# KiCad board revxl.kicad_pcb (continued)
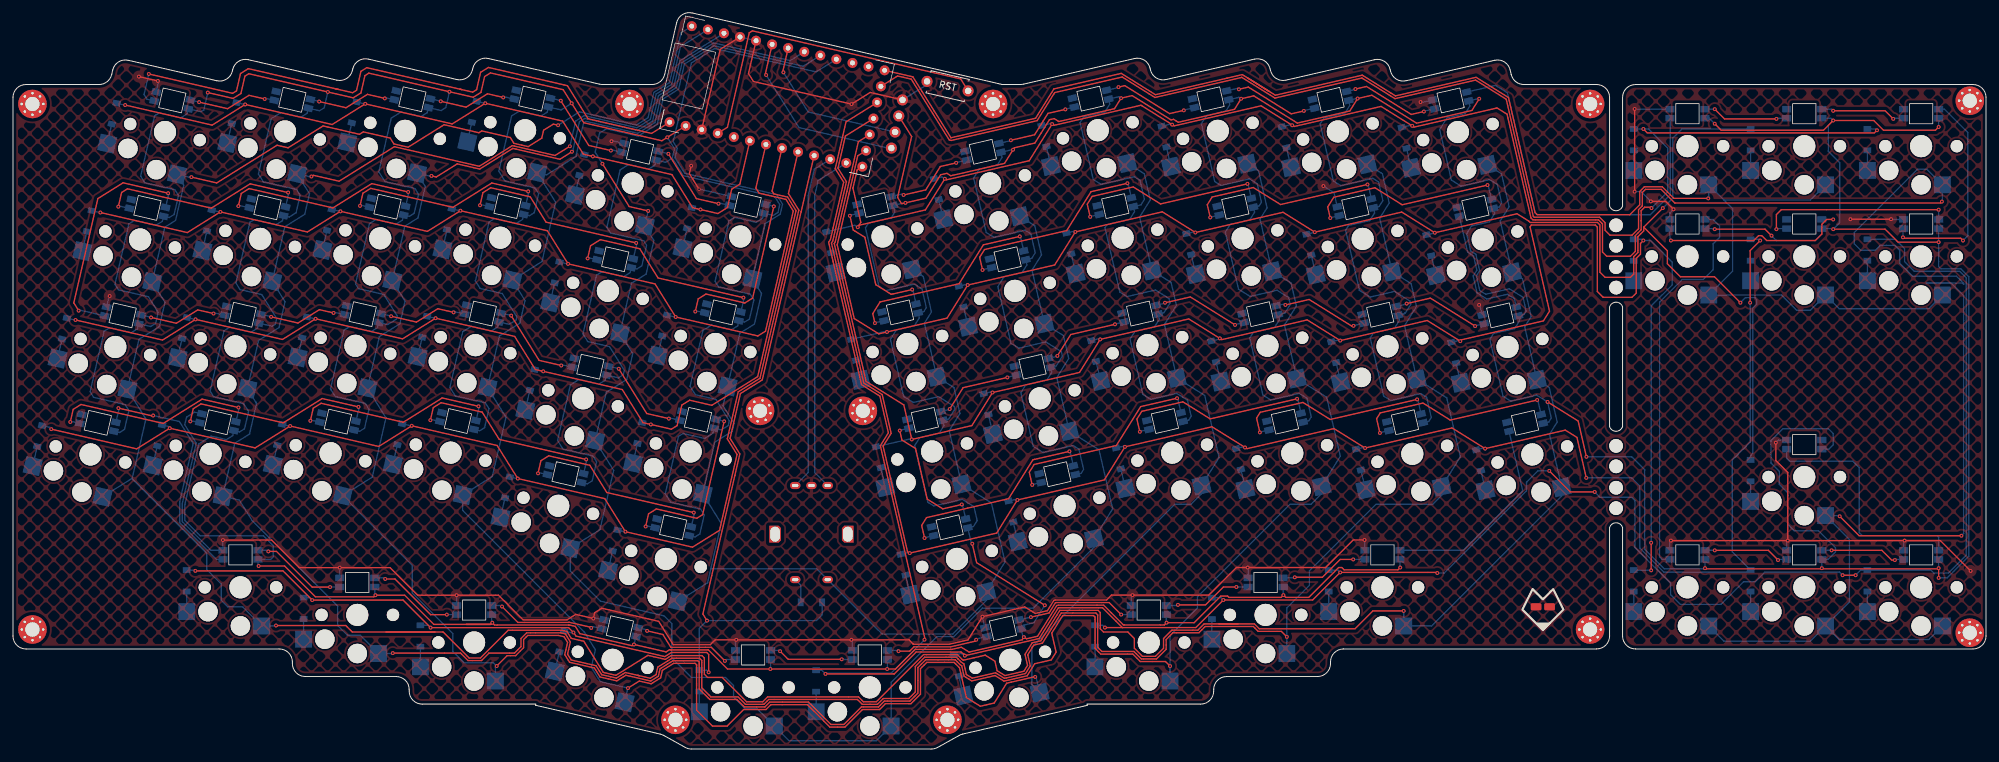
[diagram p0: board, top side]
## Nets (continued)
mirror_ring_top: D35.2 S35.2
mirror_spacecol_spacerow: D58.2 S58.2
mirror_super_modrow: D54.2 S54.2
outer_bottom: D1.2 S1.2
outer_home: D2.2 S2.2
outer_num: D4.2 S4.2
outer_top: D3.2 S3.2
P7: REF**.7
P8: REF**.8
pinky_bottom: D5.2 S5.2
pinky_home: D6.2 S6.2
pinky_num: D8.2 S8.2
pinky_top: D7.2 S7.2
right_del: D67.2 S67.2
right_down: D66.2 S66.2
right_ins: D68.2 S68.2
ring_bottom: D9.2 S9.2
ring_home: D10.2 S10.2
ring_num: D12.2 S12.2
ring_top: D11.2 S11.2
rotA: RE1.A REF**.20
rotB: RE1.C REF**.23
row0: D4.1 D8.1 D12.1 D16.1 D20.1 D24.1 REF**.29
row1: D3.1 D7.1 D11.1 D15.1 D19.1 D23.1 REF**.28
row2: D2.1 D6.1 D10.1 D14.1 D18.1 D22.1 REF**.27
row3: D1.1 D5.1 D9.1 D13.1 D17.1 D21.1 REF**.26
row4: D49.1 D50.1 D51.1 D55.1 D57.1 D69.1 REF**.22
row5: D28.1 D32.1 D36.1 D40.1 D44.1 D48.1 D61.1 D68.1 REF**.21
row6: D27.1 D31.1 D35.1 D39.1 D43.1 D47.1 D63.1 D65.1 REF**.16
row7: D26.1 D30.1 D34.1 D38.1 D42.1 D46.1 D59.1 D60.1 REF**.15
row8: D25.1 D29.1 D33.1 D37.1 D41.1 D45.1 D62.1 D64.1 REF**.14
row9: D52.1 D53.1 D54.1 D56.1 D58.1 D66.1 D67.1 REF**.13
RST: REF**.RST RST1.1
SCL: DISP1.2 REF**.3
SDA: DISP1.1 REF**.2
spacecol_spacerow: D57.2 S57.2
super_modrow: D51.2 S51.2

Pads without a net: _1 1; _2 1; _3 1; _4 1; _5 1; _6 1; _7 1; _8 1; _9 1; _10 1; _11 1; _12 1

## Via types
v1: diameter 0.6, hole 0.3, Top to Bottom, 289 vias
v2: diameter 0.5, hole 0.3, Top to Bottom, 1 via

## Routing (per net, layer and track width the routed paths; a pad name or vN(x,y) marks a point on that pad's centre or on a via; arc(x,y) is an arc through that point)
GND: length 422.1
  Top w0.2: v1(255.85,83.19) 254.63,84.41 v1(252.36,84.41) ; REF**.GND 108.97,107.85 REF**.GND ; v1(208.25,32.22) 206.5,32.22 202.25,27.97 v1(190.25,27.97) 188.5,27.97 184.25,23.72 v1(172.5,23.72) 169.25,23.72 168.5,22.97 160.62,22.97 160.37,22.91 159.38,21.33 157.51,20.89 155.89,21.91 v1(149.38,20.4) 147.14,16.82 144.23,16.15 138.73,16.15 138.05,16.83 v1(129.19,16.83) v1(111.44,16.83) 108.19,16.83 107.44,16.08 101.74,16.08 99.49,19.68 90.72,21.7 89.63,21.02 v1(89.42,20.12) 86.7,20.75 85.35,19.91 78.6,19.91 74.8,23.71 v1(68.35,23.71) 62.35,23.71 58.1,27.96 v1(50.35,27.96) 44.1,27.96 39.85,32.21 v1(32.35,32.21) ; v1(249.86,98.66) v1(249.86,85.91) ; v1(271.62,47.22) 271.62,44.47 273.45,42.64 v1(273.45,32.13) ; DISP1.4 132.07,101.2 v1(129.19,99.4) 114.09,102.89 113.32,104.12 REF**.GND ; v1(104.49,89.9) 104.21,88.68 v2(105.71,86.29) ; v1(289.36,81.66) v1(283.11,81.66) ; v1(273.45,32.13) v1(255.45,32.13) ; v1(273.45,32.13) v1(291.45,32.13) 296.95,32.13 v1(301.63,27.45) ; v1(22.33,102.97) v1(19.4,103.65)
  Bottom w0.2: v1(255.45,32.13) 255.3,31.97 LED59.3 ; RST1.2 140.7,102.33 DISP1.4 ; v1(14.9,69.82) 14.8,69.75 LED2.3 ; v1(149.38,20.4) 149.36,20.37 LED56.3 ; LED67.3 289.4,81.62 v1(289.36,81.66) ; v1(89.42,20.12) 89.61,20.24 LED55.3 ; LED50.3 v1(50.35,27.96) ; v1(190.25,27.97) 190.3,27.92 LED53.3 ; v1(271.62,47.22) 272.02,47.62 LED63.3 ; v1(273.45,32.13) 273.3,31.97 LED62.3 ; v1(291.45,32.13) 291.3,31.97 LED66.3 ; v1(111.44,16.83) 111.32,16.71 LED57.3 ; v1(172.5,23.72) 172.3,23.53 LED54.3 ; REF**.GND REF**.GND ; v1(201.9,86.77) 203.54,85.75 LED31.3 ; LED51.3 v1(68.35,23.71) ; LED52.3 208.3,32.17 v1(208.25,32.22) ; v1(249.86,98.66) 249.9,98.62 LED61.3 ; v1(249.86,85.91) 250.86,85.91 v1(252.36,84.41) ; LED60.3 255.3,82.64 v1(255.85,83.19) ; v2(105.71,86.29) 105.74,86.31 LED24.3 ; LED58.3 129.32,16.7 v1(129.19,16.83) ; LED26.3 226.03,68.36 v1(225.89,68.45) ; LED20.3 92.34,93.76 v1(92.22,93.68) ; LED5.3 27.97,51.92 26.74,51.15 26.47,49.98 28.23,47.15 26.09,37.87 26.09,35.05 29.38,31.76 30.52,30.62 LED49.3 v1(32.35,32.21) ; LED4.3 22.43,102.8 v1(22.33,102.97) ; LED28.3 216.99,99.65 v1(216.87,99.72)
VCC: length 1823.9
  Top w0.2: v1(260.7,27.88) 260.81,27.77 278.6,27.77 v1(278.7,27.88) 278.81,27.77 296.6,27.77 v1(296.7,27.88) v1(296.7,26.38) ; v1(147.81,31.64) 148.48,28.72 v1(158.97,22.16) ; v1(213.75,27.97) 213.4,27.62 205.1,27.62 204.75,27.97 204.25,27.97 199.65,23.37 196.1,23.37 v1(195.75,23.72) 195.4,23.37 187.35,23.37 187.15,23.57 186.1,23.57 182,19.47 v1(177.75,19.47) 177.4,19.12 176.75,19.12 171.1,19.12 169.25,20.97 168.05,22.17 167,22.17 161.06,22.17 160.82,22.12 157.86,17.38 156.17,16.99 v1(155.75,17.26) 155.49,16.84 147.3,14.95 146.11,15.69 144.65,15.35 139.73,15.35 139,15.35 138.76,15.12 135.98,12.33 v1(134.69,12.33) v1(116.69,12.33) 110.09,12.33 107.14,15.28 101.44,15.28 101.32,15.28 101.18,15.31 100.63,14.97 v1(95.68,16.11) 95.38,15.93 87.34,17.78 86.64,18.91 85.76,19.11 85.6,19.11 74.6,19.11 74.2,19.11 v1(73.85,19.46) 73.6,19.21 ; DISP1.3 138.46,94.41 136.47,85.76 136.3,85.03 136.86,84.13 136.97,84.06 v1(137.51,84.18) 140.68,84.91 142.92,88.51 143.9,88.74 144.5,88.36 144.74,88.42 152.78,90.27 v1(154.09,92.37) 154.28,92.67 157.45,93.4 159.69,97 160.42,97.17 161.14,96.72 169.72,98.7 v1(170.73,100.32) 172.44,100.71 178.43,96.96 178.82,97.05 179.54,96.61 180.27,96.77 188.21,98.61 v1(189.22,100.23) 191.17,100.68 197.47,96.74 197.89,96.48 198.28,96.57 205.98,98.35 v1(207.18,100.27) 209.37,100.77 216.26,96.46 224.79,98.43 v1(225.91,100.23) ; v1(37.85,28.21) 41.85,28.21 46.6,23.46 55.6,23.46 v1(55.85,23.71) 60.35,23.71 64.85,19.21 73.6,19.21 ; v1(242.43,45.04) 241.16,50.56 v1(236.45,53.5) ; v1(280.45,80.13) 288.45,80.13 290.45,78.13 v1(296.7,78.13) ; v1(270.95,79.13) 269.95,80.13 v1(262.2,80.13) ; v1(262.2,96.38) 263.2,95.38 273.95,95.38 278.95,95.38 v1(280.45,96.88) 286.7,96.88 288.2,95.38 296.2,95.38 v1(296.7,95.88) ; 73.6,19.21 69.85,19.21 72.85,19.21 73.6,19.21 ; v1(30.02,101.18) 33.92,100.28 35.12,101.03 35.73,103.71 36.33,104.08 v1(48.51,101.27) 52.41,100.37 53.61,101.12 54.23,103.8 54.83,104.18 v1(67.25,101.31) 70.91,100.46 72.11,101.21 72.67,103.65 73.57,104.21 84.77,101.62 v1(86.08,99.53) 87.96,96.53 99.97,93.75 v1(100.82,94.29) REF**.VCC
  Bottom w0.2: 101.58,91.07 100.55,90.43 LED20.1 98.91,89.99 97.93,89.38 94.86,90.09 93.55,89.27 91.51,80.46 91.5,80.45 92.07,79.53 97.19,78.35 97.63,77.64 96.9,74.47 96.14,74 LED19.1 95.08,73.43 94.1,72.81 90.79,73.58 89.91,73.03 87.82,63.98 88.56,62.8 91.91,62.03 94.2,58.36 94.05,57.69 93.29,57.21 LED18.1 91.26,56.86 90.28,56.25 87.21,56.96 85.88,56.13 83.91,47.56 84.73,46.24 89.36,45.17 89.92,44.27 89.25,41.34 88.49,40.87 LED17.1 ; 101.58,91.07 101.92,92.53 v1(100.82,94.29) ; 101.58,91.07 103.27,88.37 117.39,85.11 118.14,83.91 117.86,82.7 117.13,82.24 LED24.1 115.49,81.8 114.51,81.19 111.19,81.95 110.32,81.41 108.17,72.11 108.72,71.23 113.59,70.11 114.15,69.21 113.48,66.28 112.72,65.81 LED23.1 111.67,65.23 110.69,64.62 107.61,65.33 106.31,64.52 104.33,55.95 104.31,55.94 105.14,54.61 108.31,53.88 110.37,50.58 110.2,49.85 109.14,49.19 LED22.1 107.84,48.67 106.56,47.87 103.25,48.64 102.54,48.2 100.51,39.38 100.49,39.37 101.31,38.05 105.94,36.98 106.51,36.08 105.83,33.15 105.07,32.68 LED21.1 ; v1(262.2,80.13) 262.11,80.22 LED60.1 ; v1(242.43,45.04) 249.41,45.04 251.41,43.04 251.41,30.79 254.43,27.77 260.6,27.77 v1(260.7,27.88) 260.7,27.88 LED59.1 ; LED50.1 55.75,23.81 v1(55.85,23.71) ; v1(296.7,27.88) 296.7,27.88 LED66.1 ; LED29.1 218.15,50.5 218.53,51.11 217.8,54.23 216.91,54.79 212.28,53.72 211.19,54.4 209.12,63.35 209.62,64.14 212.88,64.89 213.62,66.08 LED30.1 214.32,67.06 214.4,67.18 214.54,67.22 215.37,68.55 215.26,69.03 212.86,70.53 209.11,69.67 207.42,70.72 207.45,70.77 205.33,79.96 205.79,80.7 209.06,81.46 209.8,82.65 LED31.1 210.5,83.63 211.06,84.53 210.4,87.41 209.5,87.97 204.58,86.84 203.44,87.55 201.4,96.37 201.97,97.27 205.23,98.02 205.98,99.21 LED32.1 207.13,100.3 v1(207.18,100.27) ; LED58.1 134.72,12.36 v1(134.69,12.33) ; LED52.1 213.7,28.02 v1(213.75,27.97) ; LED37.1 181.16,50.68 181.54,51.29 180.96,53.78 179.28,54.83 175.29,53.9 174.09,54.65 172.12,63.18 172.87,64.38 175.89,65.08 176.63,66.27 LED38.1 177.33,67.25 178.27,68.75 178.12,69.44 176.02,70.75 171.63,69.74 170.54,70.42 168.25,80.34 168.56,80.83 172.07,81.64 172.81,82.83 LED39.1 173.8,83.88 174.33,84.73 173.65,87.65 172.75,88.21 167.64,87.03 166.44,87.78 164.42,96.55 164.98,97.45 168.24,98.2 168.99,99.39 LED40.1 170.38,100.54 v1(170.73,100.32) ; LED68.1 296.7,95.88 v1(296.7,95.88) ; v1(48.51,101.27) 47.95,98.84 47.22,98.38 LED8.1 45.33,98 44.36,97.38 41.28,98.09 39.78,97.16 37.82,88.63 38.56,87.43 43.68,86.25 44.24,85.35 43.62,82.67 42.57,82.01 LED7.1 41.51,81.43 40.53,80.82 37.15,81.6 36.51,81.2 34.34,71.83 34.98,70.81 38.34,70.04 40.63,66.37 40.42,65.45 39.96,65.16 LED6.1 37.69,64.87 36.71,64.25 33.39,65.02 32.52,64.47 30.37,55.18 30.92,54.3 35.54,53.23 36.29,52.03 35.67,49.35 34.92,48.88 LED5.1 33.86,48.3 32.88,47.69 30.54,48.23 28.64,47.04 26.49,37.72 26.49,35.22 28.85,32.86 31.85,32.86 38.6,32.86 40.1,31.36 40.1,29.61 39.71,29.22 LED49.1 37.75,28.31 v1(37.85,28.21) ; v1(262.2,96.38) 261.36,97.22 LED61.1 ; v1(116.69,12.33) 116.72,12.36 LED57.1 ; v1(270.95,79.13) 271.7,78.38 277.65,78.38 278.7,79.42 LED64.1 280.36,80.22 v1(280.45,80.13) 281.45,81.13 281.45,90.38 279.7,92.13 279.7,96.13 v1(280.45,96.88) 280.11,97.22 LED65.1 ; LED67.1 296.7,78.13 v1(296.7,78.13) 296.7,74.38 297.05,74.03 300.12,74.03 301.35,72.79 301.35,70.13 301.35,29.71 298.02,26.38 v1(296.7,26.38) ; LED51.1 73.75,19.56 v1(73.85,19.46) ; LED1.1 16.42,48.79 17.18,49.26 17.86,52.19 17.29,53.09 12.42,54.21 11.89,55.07 14.04,64.39 14.9,64.93 18.21,64.16 19.19,64.78 LED2.1 21.22,65.13 21.98,65.6 22.37,67.31 20.87,69.71 16.25,70.77 15.71,71.63 17.86,80.96 18.72,81.49 22.04,80.73 23.02,81.34 LED3.1 24.07,81.92 24.83,82.39 25.5,85.31 24.94,86.21 20.31,87.28 19.67,88.31 21.82,97.6 22.54,98.06 25.86,97.29 26.84,97.9 LED4.1 28.97,98.23 29.4,98.5 v1(30.02,101.18) ; v1(137.51,84.18) 137.46,84.21 LED48.1 135.88,82.77 135.32,81.88 131.81,81.07 131.35,80.33 133.44,71.3 134.47,70.65 138.86,71.66 140.06,70.92 140.72,68.04 140.34,67.43 LED47.1 139.65,66.45 138.9,65.26 136.12,64.62 135.19,63.13 137.22,54.34 138.71,53.41 142.61,54.31 145.01,52.81 145.11,52.37 144.17,50.87 LED46.1 143.47,49.89 142.73,48.7 139.7,48 138.93,46.76 140.94,38.05 141.88,37.47 146.26,38.48 148.06,37.36 148.56,35.21 147.99,34.3 LED45.1 147.66,31.73 v1(147.81,31.64) ; LED41.1 164.57,42.49 164.95,43.1 164.23,46.22 163.33,46.78 158.71,45.71 157.21,46.65 155.29,54.93 156.04,56.13 159.31,56.89 160.05,58.08 LED42.1 160.75,59.06 161.69,60.56 161.53,61.25 159.13,62.75 154.99,61.79 153.76,62.56 151.75,71.27 152.71,72.81 155.48,73.45 156.23,74.64 LED43.1 156.97,75.63 157.5,76.48 156.83,79.41 155.93,79.97 151.16,78.87 149.96,79.61 148.02,88 148.88,89.37 151.66,90.01 152.4,91.2 LED44.1 154.04,92.4 v1(154.09,92.37) ; LED53.1 195.7,23.77 v1(195.75,23.72) ; LED9.1 53.41,48.97 54.17,49.44 54.85,52.37 54.28,53.27 49.65,54.34 48.92,55.51 51.01,64.57 51.89,65.11 55.2,64.35 56.18,64.96 LED10.1 57.72,65.42 59.08,66.27 59.19,66.76 57.13,70.06 53.24,70.96 52.78,71.68 54.93,80.98 55.95,81.62 59.03,80.91 60.01,81.52 LED11.1 61.06,82.1 61.82,82.57 62.49,85.5 61.93,86.4 57.3,87.47 56.37,88.97 58.28,97.25 59.78,98.18 62.85,97.48 63.83,98.09 LED12.1 65.96,98.42 66.69,98.87 v1(67.25,101.31) ; LED63.1 279.8,46.22 280.45,46.88 280.45,48.63 279.7,49.38 272.7,49.38 270.87,47.54 270.87,44.08 272.16,42.79 272.16,40.79 273.45,39.5 273.45,39.04 273.45,34.63 274.45,33.63 278.2,33.63 280.8,31.03 280.8,30.38 279.65,29.22 LED62.1 278.7,27.88 v1(278.7,27.88) ; v1(155.75,17.26) 155.6,17.35 LED56.1 155.66,19.08 157.29,19.46 v1(158.97,22.16) ; v1(177.75,19.47) 177.7,19.52 LED54.1 ; v1(225.91,100.23) 225.87,100.26 LED28.1 224.47,99.12 223.73,97.93 220.95,97.29 219.82,95.49 221.62,87.69 223.12,86.76 227.51,87.77 228.71,87.02 229.37,84.14 228.99,83.53 LED27.1 228.29,82.55 227.49,81.26 224.73,80.63 223.98,79.43 224.6,76.75 225.4,76.25 225.98,73.73 225.48,72.93 226.01,70.66 226.91,70.1 230.56,70.94 232.66,69.63 233.15,67.5 232.82,66.97 LED26.1 232.12,65.99 231.38,64.8 228.11,64.05 227.55,63.16 229.58,54.37 230.77,53.63 234.77,54.55 v1(236.45,53.5) 237.02,51.01 236.64,50.41 LED25.1 ; v1(95.68,16.11) 95.71,16.13 LED55.1 ; LED33.1 199.65,50.59 200.03,51.2 199.37,54.07 198.17,54.82 193.78,53.81 192.58,54.56 190.56,63.33 191.12,64.23 194.39,64.98 195.13,66.17 LED34.1 195.97,67.19 196.8,68.52 196.55,69.59 194.76,70.71 190.61,69.76 188.83,70.88 186.8,79.66 187.54,80.85 190.56,81.55 191.3,82.74 LED35.1 192,83.72 192.36,84.29 191.7,87.13 190.5,87.88 186.12,86.87 185.16,87.47 183.1,96.39 183.89,97.65 186.88,98.34 187.48,99.3 LED36.1 188.88,100.44 v1(189.22,100.23) ; v1(86.08,99.53) 84.45,98.51 LED16.1 82.32,98.18 81.34,97.57 78.03,98.33 76.83,97.58 74.86,89.06 75.8,87.56 80.43,86.49 80.99,85.59 80.31,82.66 79.56,82.19 LED15.1 78.5,81.62 77.52,81 74.2,81.77 73.35,81.23 71.26,72.18 71.24,72.17 71.97,70.99 75.38,70.21 77.63,66.61 77.52,66.12 76.46,65.46 LED14.1 74.68,65.05 73.7,64.44 70.62,65.15 69.3,64.32 67.32,55.75 68.15,54.43 72.78,53.36 73.34,52.46 72.66,49.53 71.91,49.06 LED13.1
alt_modrow: length 3.1
  Bottom w0.2: S50.2 D50.2
center_del: length 3.1
  Bottom w0.2: S64.2 D64.2
center_down: length 3.1
  Bottom w0.2: S62.2 D62.2
center_ins: length 3.1
  Bottom w0.2: S65.2 D65.2
center_up: length 3.1
  Bottom w0.2: S63.2 D63.2
col0: length 510.2
  Top w0.2: v1(83.98,96.15) 83.25,96.32 81.75,95.38 81.47,94.16 79.37,92.85 77.18,93.36 76.62,94.26 72.24,95.27 71.79,94.99 66.43,96.23 60.88,92.76 58.69,93.27 58.13,94.17 53.98,95.12 53.38,94.75 48.51,95.87 47.78,96.04 42.39,92.67 40.68,93.06 31.39,87.25 v1(27.49,88.15) ; v1(214.27,21.29) 209.52,21.29 206.77,18.54 192.02,18.54 191.27,19.29 185.77,19.29 188.77,19.29 183.52,19.29 182.56,18.32 179.02,18.32 178.56,18.32 177.27,17.04 177.27,15.54 176.02,14.29 174.02,14.29 172.77,15.54 172.77,17.04 171.77,18.04 168.02,18.04 167.52,18.54 167.52,21.04 167.19,21.37 161.32,21.37 161.29,21.36 158.36,16.68 157.04,16.37 155.93,14.6 156.32,12.89 155.76,11.99 152.84,11.32 151.64,12.07 151.3,13.53 149.8,14.47 146.43,13.69 146.27,13.79 145.51,14.55 140.77,14.55 140.29,14.55 135.02,9.29 133.02,7.29 131.02,7.29 130.27,8.04 128.77,8.04 116.27,8.04 115.52,7.29 113.02,7.29 112.52,7.79 109.27,11.04 107.02,11.04 106.52,11.54 106.52,14.04 106.16,14.4 101.43,14.4 100.98,14.12 100.98,14.11 100.51,13.82 98.7,14.24 97.83,14.44 92.9,11.36 90.95,11.81 87.96,16.61 86.01,17.06 85.34,18.13 84.55,18.31 77.02,18.31 76.3,18.31 72.02,14.04 70.27,14.04 70.02,14.29 66.27,18.04 57.52,18.04 65.02,18.04 52.27,18.04 51.27,19.04 v1(40.52,19.04)
  Bottom w0.2: v1(214.27,21.29) 214.27,20.54 S52.1 218.59,18.97 238.63,39.01 S25.1 236.74,48.51 237.93,50.41 236.7,55.72 S26.1 232.92,65.07 233.92,66.67 232.58,72.48 S27.1 229.15,81.39 230.53,83.59 229.35,88.67 S28.1 ; 25.27,88.57 27.37,88.08 v1(27.49,88.15) ; S4.1 26.31,86.91 25.05,81.47 23.4,80.44 S3.1 23.42,68.85 22.56,65.12 19.41,63.14 S2.1 20.48,50.87 18.37,41.73 18.31,41.69 ; v1(83.98,96.15) 87.28,98.21 96.05,96.19 97.85,97.31 98.75,101.21 101.15,102.71 102.92,110.38 REF**.10 ; 18.31,41.69 S1.1 ; 18.31,41.69 29.85,30.16 29.85,27.66 32.1,25.41 32.1,22.91 33.1,21.91 35.39,21.91 S49.1 40.46,18.97 v1(40.52,19.04)
col1: length 450.5
  Top w0.2: v1(45.98,88.25) 46.28,88.43 50.24,87.52 58.76,92.84 61.13,92.29 71.84,89.82 76.94,93.01 77.25,92.93 83.52,91.48 v1(85.8,92.91) ; v1(58.52,14.79) 66.52,14.79 68.96,14.79 70.11,13.64 72.19,13.64 73.34,14.79 77.27,14.79 78.27,15.79 78.27,17.04 79.15,17.91 80.52,17.91 84.4,17.91 85.11,17.75 85.88,16.51 85.45,14.62 86.01,13.72 88.44,13.16 89.84,12.84 90.7,11.46 92.97,10.93 94.35,11.8 96.48,11.3 96.24,11.36 98.19,10.91 99.09,11.47 99.35,12.63 101.49,13.96 ; 101.49,13.96 101.49,13.97 ; 101.49,13.96 101.49,13.97 ; 101.49,13.97 101.54,14 102.27,14 105.77,14 106.12,13.65 106.12,13.29 106.12,9.44 107.52,8.04 111.71,8.04 112.86,6.89 115.69,6.89 116.44,7.64 117.27,7.64 129.27,7.64 130.11,7.64 130.86,6.89 133.19,6.89 134.09,7.79 137.52,7.79 138.02,7.79 139.02,8.79 139.02,12.72 140.46,14.15 143.77,14.15 145.34,14.15 146.11,13.39 146.52,13.13 146.9,11.49 147.79,10.92 151.38,11.75 152.76,10.89 153.09,10.97 156.01,11.64 156.75,12.82 156.35,14.53 157.29,16.02 158.62,16.33 161.29,20.61 161.52,20.97 166.84,20.97 167.12,20.69 167.12,20.54 167.12,15.69 167.77,15.04 172.71,15.04 173.86,13.89 176.19,13.89 177.67,15.37 177.67,16.87 178.73,17.92 182.73,17.92 183.69,18.89 184.77,18.89 190.77,18.89 191.11,18.89 191.86,18.14 195.42,18.14 v1(196.27,17.29)
  Bottom w0.2: S53.1 196.27,16.54 v1(196.27,17.29) 196.27,21.75 199.75,25.22 199.75,27.47 210,37.72 218.75,37.72 220.13,39.1 S29.1 223.01,45.03 220.91,54.13 S30.1 214.4,65.26 216.24,68.2 215.43,71.73 S31.1 210.58,81.82 212.04,84.17 211,88.67 S32.1 ; REF**.0 102.84,108.25 101.5,102.46 99.1,100.96 98.2,97.06 96.12,95.76 88.02,97.63 86.7,96.81 v1(85.8,92.91) ; 37.38,53.51 37.54,53.26 36.45,48.55 34.18,47.14 S5.1 34.88,38.37 36.86,35.2 50.02,22.04 50.02,19.04 51.52,17.54 53.51,17.54 S50.1 58.46,14.72 v1(58.52,14.79) ; 37.38,53.51 37.47,53.36 ; 37.38,53.51 S6.1 37.84,62.99 41,64.96 41.92,68.94 S7.1 41.89,80.51 44.95,82.42 45.68,85.59 S8.1 45.87,88.17 v1(45.98,88.25)
col2: length 403.5
  Top w0.2: 161.8,20.57 161.73,20.56 160.05,17.86 160.72,14.94 159.97,13.74 157.42,13.15 156.26,11.29 152.69,10.46 151.31,11.33 147.72,10.5 146.54,11.23 146.17,12.86 146.15,12.85 145.94,12.99 145.18,13.75 140.62,13.75 139.42,12.55 139.42,8.62 138.19,7.39 134.26,7.39 133.36,6.49 130.72,6.49 128.02,3.79 126.02,3.79 122.57,7.24 118.52,7.24 116.61,7.24 115.86,6.49 112.69,6.49 111.54,7.64 107.36,7.64 105.72,9.27 105.72,13.4 105.52,13.6 101.66,13.6 99.71,12.38 99.44,11.22 98.26,10.48 95.17,11.2 94.42,11.37 93.05,10.51 90.45,11.11 89.59,12.49 85.76,13.37 85.02,14.55 85.45,16.44 84.91,17.31 84.02,17.51 79.31,17.51 78.67,16.87 78.67,15.62 77.44,14.39 76.12,14.39 v1(74.52,12.79) ; 161.8,20.57 163.11,20.57 166.27,20.57 166.49,20.57 166.72,20.34 166.72,16.79 166.72,15.52 167.61,14.64 172.54,14.64 173.69,13.49 175.52,13.49 177.57,13.49 v1(178.27,12.79) ; 161.8,20.57 161.77,20.57 ; v1(86.12,92.06) 84.26,90.9 77.49,92.47 77.01,92.58 71.91,89.39 68.45,90.19 65.21,88.17 v1(64.48,88.34)
  Bottom w0.2: v1(178.27,12.79) S54.1 178.28,17.5 182.5,21.72 182.5,23.47 196.75,37.72 200,37.72 201.64,39.37 S33.1 204.51,45.13 202.41,54.22 S34.1 195.91,65.35 197.75,68.29 196.93,71.82 S35.1 192.14,81.67 193.23,83.42 191.91,89.13 S36.1 ; REF**.1 102.75,106.08 101.85,102.2 99.46,100.71 98.56,96.81 96.19,95.33 88.09,97.2 87.29,96.7 86.24,92.14 v1(86.12,92.06) ; S51.1 74.32,12.58 v1(74.52,12.79) 74.02,13.29 69.52,13.29 67.77,15.04 67.77,17.79 61.52,24.04 61.52,28.32 S9.1 55.36,41.91 57.47,51.05 S10.1 56.45,63.57 59.61,65.54 60.41,69.03 S11.1 60.38,80.6 62.4,81.86 63.52,86.73 S12.1 64.36,88.27 v1(64.48,88.34)
col3: length 352.2
  Top w0.2: 105.32,12.79 105.32,12.99 105.11,13.2 101.78,13.2 100.06,12.12 99.79,10.97 98.33,10.06 96.5,10.48 v1(94.76,9.39) ; 105.32,12.79 105.32,5.99 107.77,3.54 110.02,3.54 112.57,6.09 116.02,6.09 116.77,6.84 118.52,6.84 122.41,6.84 125.86,3.39 128.19,3.39 130.89,6.09 133.52,6.09 134.42,6.99 138.36,6.99 139.82,8.45 139.82,12.39 140.79,13.35 143.52,13.35 145.01,13.35 145.78,12.59 145.83,12.55 146.89,7.94 149.05,6.6 151.19,7.09 153.11,10.15 157.44,11.15 v1(157.5,11.11) ; 105.32,12.79 105.32,13.04
  Bottom w0.2: S40.1 174.31,88.66 175.24,84.65 173.59,82.01 S39.1 178.44,71.91 179.25,68.39 177.41,65.44 S38.1 183.62,54.5 185.83,44.92 S37.1 183.14,39.37 181.5,37.72 179,37.72 157,15.72 157,9.88 S56.1 157.65,11.02 v1(157.5,11.11) ; REF**.4 119.75,106.11 107.95,108.83 105.85,107.52 105.82,107.53 103.1,105.83 102.21,101.95 99.81,100.45 98.91,96.56 96.27,94.91 88.28,96.75 87.92,96.52 86.72,91.31 82.22,88.5 S16.1 83.61,84.27 81.5,75.13 S15.1 78.91,69.12 78.1,65.64 74.95,63.66 S14.1 75.96,51.14 73.85,42 S13.1 69.29,36.77 83.52,22.54 88.02,18.04 89.73,15.3 89.11,12.62 90.51,10.37 v1(94.76,9.39) 94.74,9.38 S55.1
col4: length 293.2
  Top w0.2: v1(97.87,82.94) 94.95,83.61 v1(90.82,90.21)
  Bottom w0.2: S44.1 157.43,80.66 158.47,76.16 157.01,73.82 S43.1 161.78,63.77 161.86,63.72 162.67,60.2 160.83,57.25 S42.1 167.33,46.12 169.43,37.03 S41.1 166.56,31.1 157.19,21.72 149.36,21.72 144.96,17.32 142.35,17.32 135.3,10.28 S58.1 133.04,1.29 119.56,1.29 S57.1 114.56,6.29 112.77,6.29 111.02,8.04 111.02,9.79 109.77,11.04 104.52,11.04 101.52,14.04 101.52,19.31 100.31,20.53 90.52,22.79 85.87,27.44 S17.1 90.44,33.81 92.55,42.95 S18.1 91.42,54.99 94.57,56.96 95.49,60.93 S19.1 95.3,71.79 97.55,73.2 98.75,78.4 S20.1 97.87,82.94 v1(97.87,82.94) ; REF**.5 121.74,105.24 108.02,108.41 105.18,106.63 105.15,106.64 103.45,105.58 102.56,101.7 100.36,100.32 100.16,100.2 99.26,96.3 96.34,94.48 93.26,95.19 91.45,95.61 90.37,94.93 89.7,92.01 v1(90.82,90.21)
col5: length 236.2
  Bottom w0.2: 107.52,27.79 123.85,27.79 RE1.S1 133.92,17.72 144.79,17.72 149.98,22.91 S45.1 152.85,28.84 150.75,37.93 S46.1 144.25,49.06 145.9,51.71 144.97,55.72 S47.1 140.42,65.63 141.51,67.37 140.25,72.85 S48.1 ; 107.52,27.79 107.02,25.62 S21.1 ; 107.52,27.79 109.13,34.76 S22.1 108.11,47.28 110.82,48.98 111.1,50.2 109.41,52.91 S23.1 111.99,64.09 114.25,65.5 115.33,70.21 115.27,70.31 S24.1 115.89,80.99 118.21,82.44 118.57,83.98 117.65,85.47 116.96,85.62 108.44,87.59 103.52,88.73 102.01,91.14 102.34,92.61 101.73,93.59 104.53,105.75 108.09,107.98 123.74,104.37 REF**.6
col6: length 244.3
  Top w0.2: REF**.9 138.65,103.6 140.06,101.35 141.94,98.35 144.51,94.22 144.53,94.22 157.56,97.23 157.91,97.79 160.03,101.19 160.39,101.75 170.75,104.14 176.02,100.85 187.05,103.4 187.05,103.41 189.41,103.95 193.51,101.39 190.21,103.45 194.5,100.77 207.89,103.87 212.31,101.11 213.01,100.67 225.42,103.54 230.43,100.41 234.52,82.7 234.86,82.36 249.12,82.36 250.64,83.88 250.64,85.88 250.61,85.91 251.36,86.66 254.11,86.66 255.9,84.88 v1(261.2,84.88)
  Bottom w0.2: S67.1 295.18,67.88 281.37,67.88 S64.1 276.93,67.63 274.82,67.63 272.48,69.97 S60.1 264.95,73.65 264.95,83.29 263.62,84.63 ; S65.1 276.93,84.63 263.62,84.63 ; v1(261.2,84.88) 261.28,84.95 S61.1 263.62,84.63
col7: length 375.7
  Top w0.2: REF**.12 136.29,103.74 138.4,103.25 144.26,93.87 144.57,93.8 157.8,96.86 160.5,101.18 170.9,103.58 170.99,103.52 175.95,100.43 189.33,103.52 189.34,103.52 194.44,100.34 207.84,103.43 212.23,100.68 212.93,100.24 225.35,103.11 230.08,100.15 230.31,99.12 234.24,82.11 234.39,81.96 244.46,81.96 245.31,81.11 245.31,79.95 246.06,79.2 249.46,79.2 250.46,80.2 250.46,83.14 251.05,83.73 251.04,83.73 251.04,85.78 251.53,86.26 253.95,86.26 256.05,84.16 296.99,84.16 v1(297.2,84.38) ; v1(300.2,32.88) 284.45,32.88 v1(281.45,35.88)
  Bottom w0.2: S62.1 282.95,22.65 282.95,32.29 S63.1 281.36,35.97 v1(281.45,35.88) ; S62.1 276.93,16.63 263.62,16.63 S59.1 ; S62.1 281.37,16.88 295.18,16.88 S66.1 ; v1(300.2,32.88) 300.55,33.23 300.55,33.63 300.55,66.04 300.55,69.89 298.62,71.82 294.77,71.82 300.36,71.82 300.55,71.63 300.55,71.78 299.45,72.88 293.7,72.88 292.7,72.88 290.7,74.88 290.7,76.88 289.95,77.63 287.7,77.63 286.95,76.88 284.7,76.88 283.7,77.88 283.7,79.63 293.45,89.38 294.87,89.38 S68.1 297.28,84.45 v1(297.2,84.38)
ctrl_modrow: length 3.1
  Bottom w0.2: S49.2 D49.2
endiode: length 3.9
  Bottom w0.2: RE1.S2 121.37,25.27 D69.2
index_bottom: length 3.1
  Bottom w0.2: S17.2 D17.2
index_home: length 3.1
  Bottom w0.2: S18.2 D18.2
index_num: length 3.1
  Bottom w0.2: S20.2 D20.2
index_top: length 3.1
  Bottom w0.2: S19.2 D19.2
inner_bottom: length 3.1
  Bottom w0.2: S21.2 D21.2
inner_home: length 3.1
  Bottom w0.2: S22.2 D22.2
inner_num: length 3.1
  Bottom w0.2: S24.2 D24.2
inner_top: length 3.1
  Bottom w0.2: S23.2 D23.2
layercol_layerrow: length 3.1
  Bottom w0.2: S55.2 D55.2
LED: length 99.6
  Top w0.2: v1(20.93,104.05) 33.84,101.07 34.44,101.44 35.06,104.12 36.26,104.87 50.14,101.66 49.66,101.78 52.34,101.16 52.94,101.53 53.61,104.46 54.51,105.02 69.13,101.64 68.88,101.7 70.83,101.25 71.43,101.63 72.05,104.3 73.25,105.05 84.94,102.35 85.43,102.24 87.49,98.94 88.61,97.15 97.63,95.06 98.4,94.89 REF**.11
  Bottom w0.2: v1(20.93,104.05) 20.2,100.88 20.66,100.15 LED4.4
LED1: length 13.8
  Top w0.2: v1(38.8,100.19) 36.36,100.76 33.06,98.7 v1(28.68,99.71)
  Bottom w0.2: v1(28.68,99.71) 28.66,99.74 LED4.2 ; v1(38.8,100.19) 38.95,100.29 LED8.4
LED2: length 13.8
  Top w0.2: v1(47.17,99.8) 51.31,98.84 54.61,100.9 v1(57.29,100.29)
  Bottom w0.2: LED12.4 57.44,100.38 v1(57.29,100.29) ; v1(47.17,99.8) 47.15,99.83 LED8.2
LED3: length 13.8
  Top w0.2: v1(65.91,99.84) 69.81,98.94 73.11,101 v1(75.54,100.43)
  Bottom w0.2: v1(65.91,99.84) 65.89,99.87 LED12.2 ; LED16.4 75.69,100.53 v1(75.54,100.43)
LED4: length 15
  Top w0.2: v1(84.4,99.93) 88.71,93.03 v1(92.12,92.24)
  Bottom w0.2: v1(92.12,92.24) 92.28,92.34 LED20.4 ; v1(84.4,99.93) 84.38,99.96 LED16.2
LED5: length 15
  Top w0.2: v1(100.99,91.74) 105.3,84.84 v1(108.71,84.05)
  Bottom w0.2: v1(100.99,91.74) 100.97,91.77 LED20.2 ; LED24.4 108.86,84.15 v1(108.71,84.05)
LED6: length 28.3
  Top w0.2: v1(105.13,67.43) 105.58,69.38 106.78,70.13 112.75,68.75 113.97,69.51 v1(117.23,83.64)
  Bottom w0.2: v1(105.13,67.43) 105.28,67.53 LED23.4 ; v1(117.23,83.64) 117.22,83.66 LED24.2
LED7: length 32.6
  Top w0.2: v1(112.55,69.57) 99.39,72.61 96.58,77.1 90.49,78.51 88.99,77.57 v1(88.54,75.62)
  Bottom w0.2: v1(112.55,69.57) 112.63,69.43 LED23.2 ; v1(88.54,75.62) 88.7,75.72 LED19.4
LED8: length 32.6
  Top w0.2: v1(71.96,83.81) 72.41,85.76 73.61,86.51 79.7,85.11 82.14,81.21 v1(96.02,78)
  Bottom w0.2: v1(71.96,83.81) 72.11,83.91 LED15.4 ; v1(96.02,78) 96.11,77.86 LED19.2
LED9: length 33
  Top w0.2: v1(79.38,85.95) 73.78,87.24 67.78,83.5 55.12,86.42 53.92,85.67 v1(53.47,83.72)
  Bottom w0.2: v1(53.47,83.72) 53.62,83.82 LED11.4 ; v1(79.38,85.95) 79.47,85.81 LED15.2
LED10: length 33.5
  Top w0.2: v1(34.73,83.69) 35.18,85.64 36.38,86.38 49.29,83.4 55.28,87.15 v1(60.89,85.86)
  Bottom w0.2: v1(60.89,85.86) 60.97,85.72 LED11.2 ; v1(34.73,83.69) 34.88,83.78 LED7.4
LED11: length 33.7
  Top w0.2: v1(16.23,83.59) 16.74,85.79 17.64,86.35 30.55,83.37 36.55,87.12 v1(42.39,85.77)
  Bottom w0.2: v1(16.23,83.59) 16.39,83.69 LED3.4 ; v1(42.39,85.77) 42.48,85.63 LED7.2
LED12: length 36
  Top w0.2: v1(23.9,85.67) 16.96,87.27 13.08,84.85 9.37,68.77 v1(10.12,67.57)
  Bottom w0.2: v1(23.9,85.67) 23.98,85.53 LED3.2 ; v1(10.12,67.57) 10.26,67.66 LED2.4
LED13: length 13.8
  Top w0.2: v1(30.9,67.12) 28.47,67.68 25.17,65.62 v1(21.27,66.52)
  Bottom w0.2: LED6.4 31.06,67.22 v1(30.9,67.12) ; v1(21.27,66.52) 21.25,66.56 LED2.2
LED14: length 13.8
  Top w0.2: v1(49.4,67.21) 47.21,67.72 43.91,65.66 v1(39.77,66.62)
  Bottom w0.2: LED10.4 49.55,67.31 v1(49.4,67.21) ; v1(39.77,66.62) 39.75,66.65 LED6.2
LED15: length 13.8
  Top w0.2: v1(58.26,66.71) 62.16,65.81 65.46,67.87 v1(67.89,67.31)
  Bottom w0.2: LED14.4 68.05,67.4 v1(67.89,67.31) ; v1(58.26,66.71) 58.24,66.74 LED10.2
LED16: length 15
  Top w0.2: v1(76.76,66.8) 81.07,59.9 v1(84.48,59.12)
  Bottom w0.2: v1(76.76,66.8) 76.74,66.83 LED14.2 ; LED18.4 84.63,59.21 v1(84.48,59.12)
LED17: length 15
  Top w0.2: v1(101.06,50.93) 97.65,51.71 v1(93.34,58.61)
  Bottom w0.2: v1(93.34,58.61) 93.32,58.64 LED18.2 ; LED22.4 101.21,51.02 v1(101.06,50.93)
LED18: length 28.4
  Top w0.2: v1(97.48,34.31) 97.93,36.25 99.13,37 105.36,35.56 106.26,36.13 v1(109.58,50.51)
  Bottom w0.2: LED22.2 109.57,50.53 v1(109.58,50.51) ; v1(97.48,34.31) 97.63,34.4 LED21.4
LED19: length 32.4
  Top w0.2: v1(80.9,42.5) 81.35,44.44 82.54,45.19 88.88,43.73 91.5,39.53 v1(104.9,36.44)
  Bottom w0.2: v1(80.9,42.5) 81.05,42.59 LED17.4 ; LED21.2 104.99,36.3 v1(104.9,36.44)
LED20: length 32.4
  Top w0.2: v1(88.32,44.63) 74.92,47.72 72.3,51.92 65.96,53.38 64.76,52.63 v1(64.31,50.69)
  Bottom w0.2: v1(64.31,50.69) 64.47,50.78 LED13.4 ; v1(88.32,44.63) 88.4,44.49 LED17.2
LED21: length 33
  Top w0.2: v1(45.82,50.59) 46.27,52.54 47.47,53.29 60.13,50.37 66.13,54.11 v1(71.73,52.82)
  Bottom w0.2: v1(45.82,50.59) 45.97,50.69 LED9.4 ; LED13.2 71.82,52.68 v1(71.73,52.82)
LED22: length 33
  Top w0.2: v1(27.32,50.5) 27.77,52.45 28.97,53.2 41.64,50.28 47.64,54.02 v1(53.24,52.73)
  Bottom w0.2: LED5.4 27.48,50.6 v1(27.32,50.5) ; LED9.2 53.33,52.59 v1(53.24,52.73)
LED23: length 33
  Top w0.2: v1(8.83,50.41) 9.28,52.36 10.48,53.11 23.14,50.18 29.14,53.93 v1(34.74,52.64)
  Bottom w0.2: LED1.4 8.98,50.5 v1(8.83,50.41) ; LED5.2 34.83,52.5 v1(34.74,52.64)
LED24: length 37.4
  Top w0.2: v1(21.6,51.41) 21.48,51.34 v1(16.25,52.55)
  Bottom w0.2: v1(21.6,51.41) 25.65,50.47 27.76,47.1 26.36,41.04 25.69,38.12 25.69,34.89 31.35,29.22 LED49.4 ; LED1.2 16.34,52.41 v1(16.25,52.55)
